# Altium PCB F405.PcbDoc (part 2 of 2)
Units mm, origin at the board's own origin, x right, y up, seen from the top; angles counter-clockwise.
Board outline 152.4 x 101.6 mm, 4 copper layers (Top Layer, MidLayer1, MidLayer2, Bottom Layer), stack 1.661 mm thick; 236 components, 147 nets, 706 pads, 750 vias.
Unrouted connection lines stored in the file: 1.
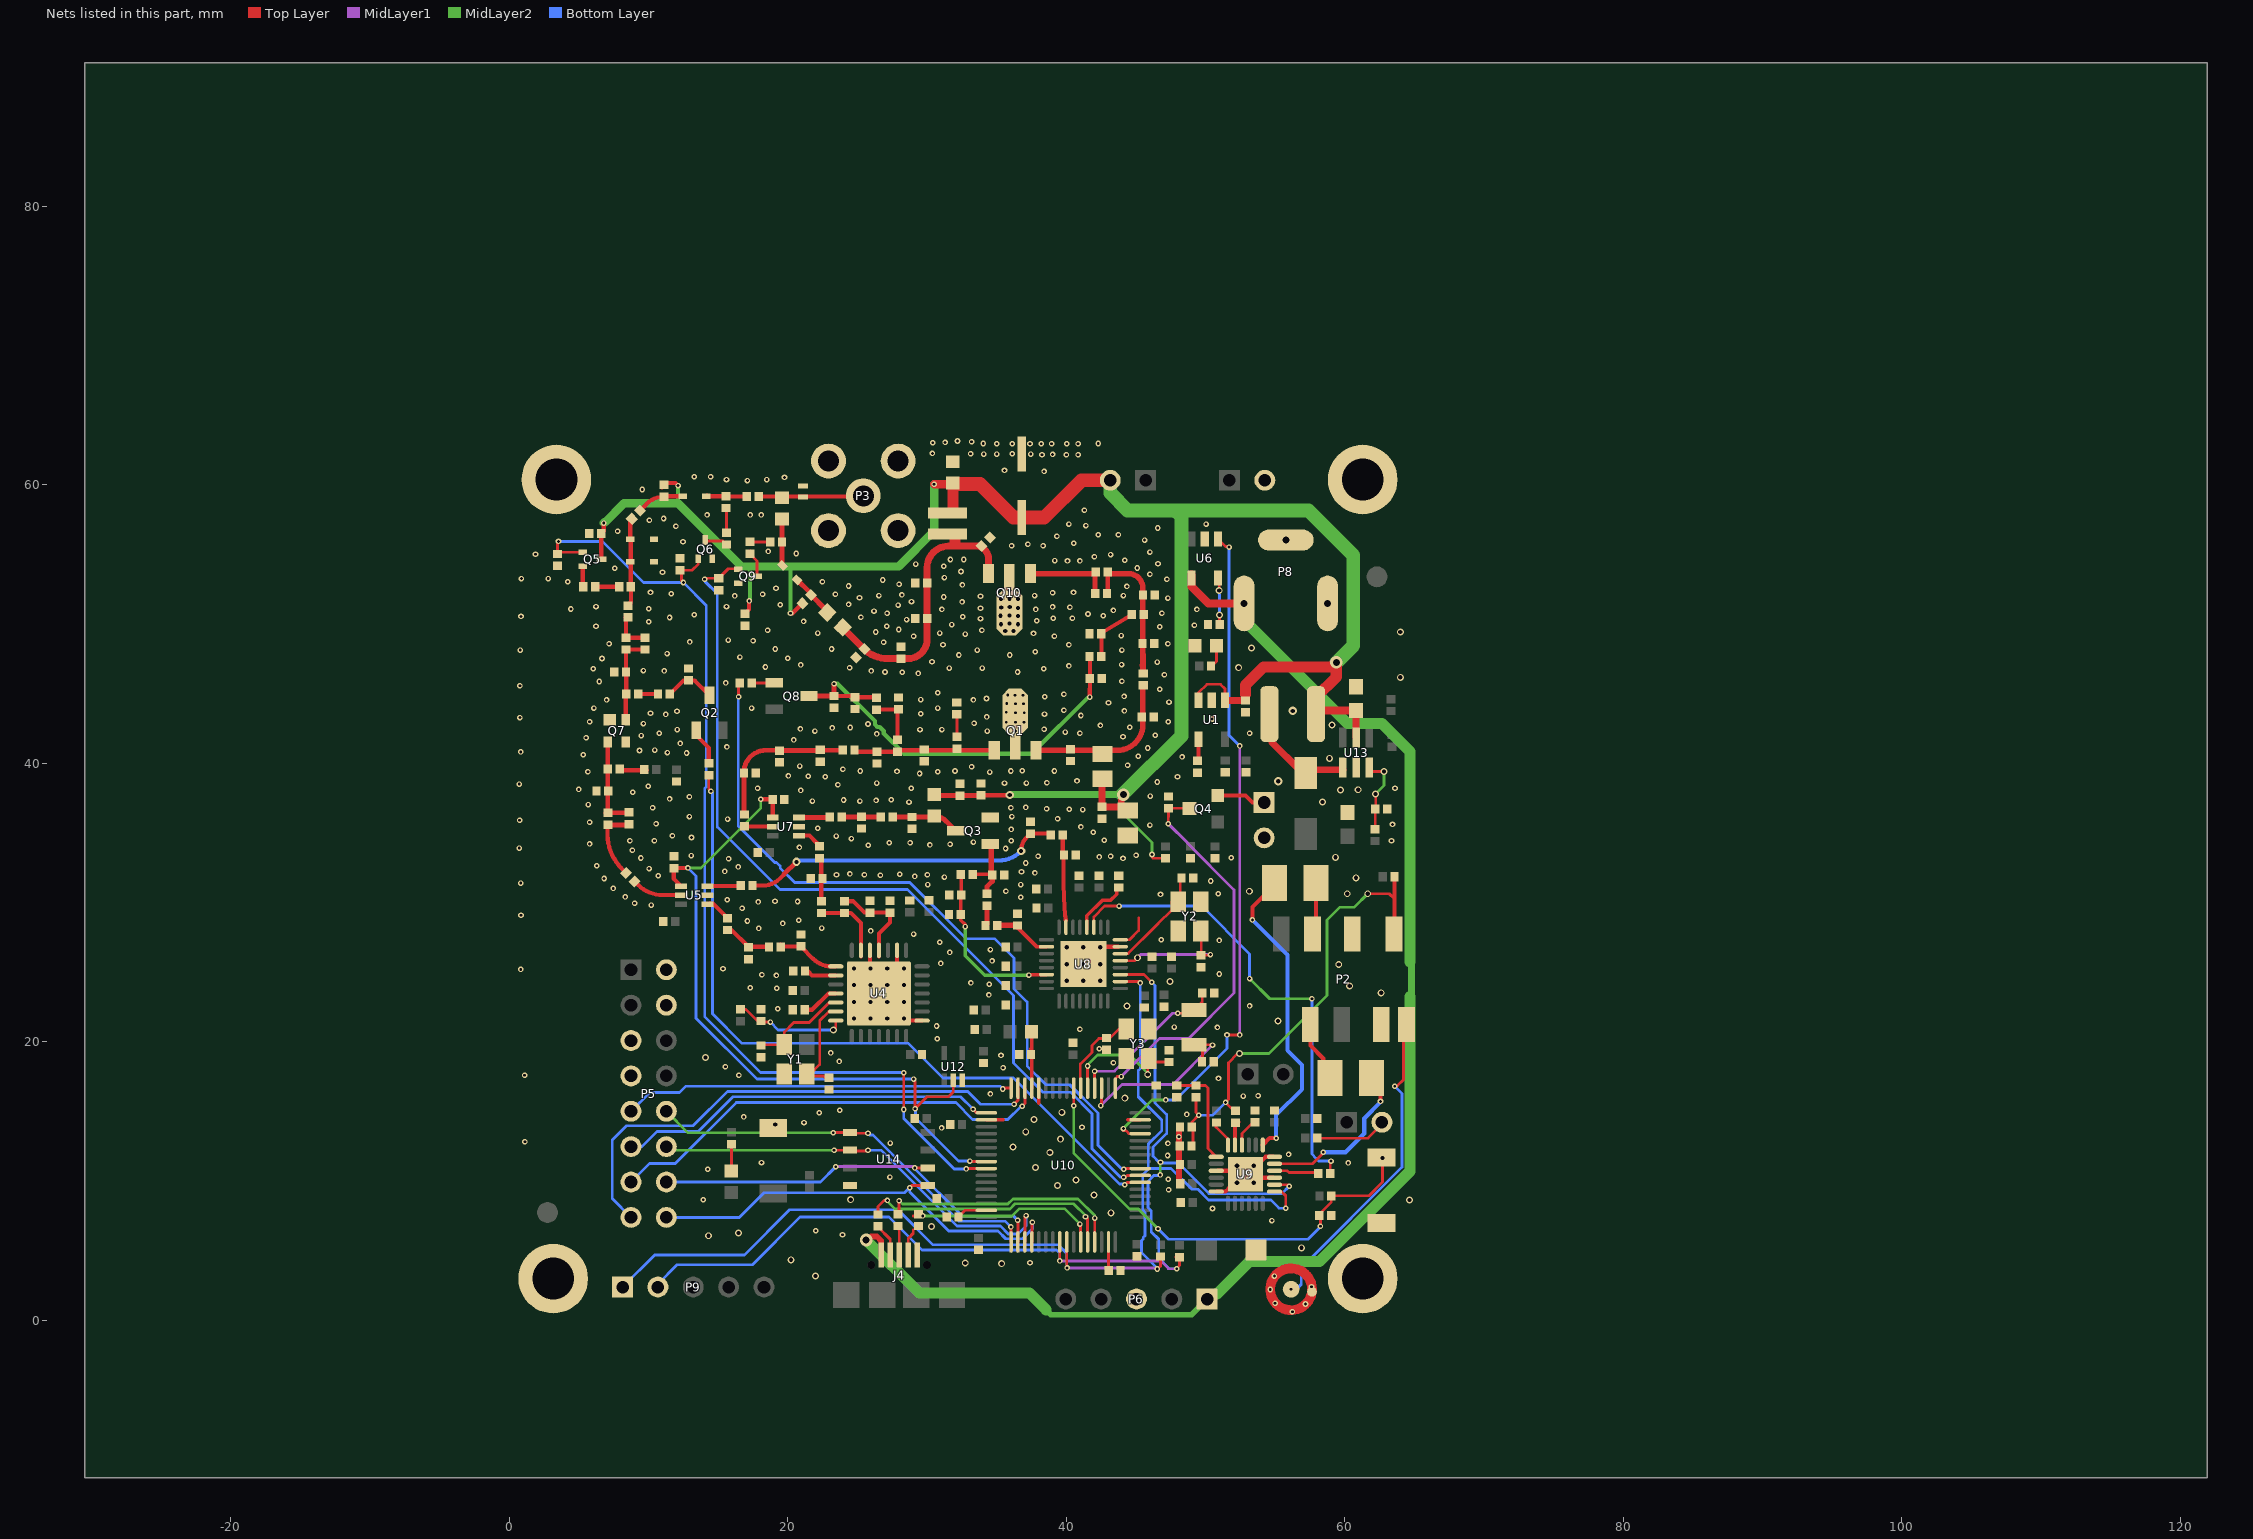
[diagram p4: the nets of this part, all layers, seen from the top]

## Via types
v1: diameter 0.4, hole 0.2, Top Layer to Bottom Layer, 614 vias
v2: diameter 0.5, hole 0.3, Top Layer to Bottom Layer, 61 vias
v3: diameter 0.6, hole 0.3, Top Layer to Bottom Layer, 27 vias
v4: diameter 0.5, hole 0.3, Top Layer to Bottom Layer, tented top, 16 vias
v5: diameter 0.5, hole 0.2, Top Layer to Bottom Layer, 13 vias
v6: diameter 0.66, hole 0.33, Top Layer to Bottom Layer, tented top, 13 vias
v7: diameter 0.9, hole 0.5, Top Layer to Bottom Layer, 4 vias
v8: diameter 1, hole 1, Top Layer to Bottom Layer, 2 vias

## Nets (pads, with @x,y where several pads share a name; then routed paths per layer and width w, separated by ;. In a path a pad name is that pad's centre, name@x,y a point inside that pad or via, vN(x,y) a via of type N, cw(c..) or ccw(c..) an arc to the next point about the centre after c; other vN are vias at no path point) (continued)
GND: B1.2 BT1.2 C1.1 C2.1 C3.1 C4.2 C5.2 C6.2 C7.2 C8.1 C12.2 C13.1 C14.2 C15.1 C16.1 C17.1 C19.1 C20.1 C23.1 C24.1 C25.1 C26.1 C27.1 C28.1 C29.2 C30.2 C31.2 C32.2 C33.1 C39.1 C41.1 C42.1 C43.1 C44.2 C45.1 C46.1 C47.2 C48.1 C49.1 C50.1 C51.2 C53.2 C54.1 C55.2 C57.2 C58.2 C59.2 C60.1 C61.2 C62.2 C63.1 C64.1 C65.1 C66.1 C67.1 C68.1 C69.2 C70.2 C71.2 C72.1 C73.2 C77.1 C78.1 C79.1 C80.1 C84.2 C85.1 C86.1 C88.1 C89.1 C90.1 C91.1 C92.1 C94.2 C95.2 C96.1 C97.1 C98.2 C99.1 C100.2 C101.2 C102.2 C104.1 C105.1 C107.2 C108.1 C109.1 C110.1 C111.1 C112.1 C114.1 C115.1 C116.1 C117.1 C120.1 C122.1 C123.1 C124.2 C126.1 C128.1 C130.1 C131.1 C136.1 C140.1 D3.2 D4.2 D5.1 D6.1 J4.5 L11.1 L25.1 L27.1 L28.1 LD1.K MK1.2 P2.4 P2.7 P3.2 P5.3 P5.4 P5.9 P5.10 P6.3 P8.2 P8.3 pad.0 Q1.0 Q1.2 Q3.2 Q6.2 Q7.2 Q7.4 Q9.2 Q10.0 Q10.2 R2.2 R4.1 R12.1 R19.1 R20.1 R23.1 R47.1 R49.2 S1.1 S2.2 U1.2 U4.15 U4.23 U4.26 U4.29 U5.2 U6.2 U7.2 U8.7 U8.8 U8.33 U9.3 U9.6 U9.15 U9.18 U9.25 U10.12 U10.18 U10.63 U12.3 U13.2 U14.4 Y1.4 Y2.2 Y2.4 Y3.2 Y3.4 | length 29.1
  Top Layer w0.2: U8.8@43.874,27.328 44.524,27.328 45.193,27.998 45.193,28.905
  Top Layer w0.245: U10.18@34.251,14.401 35.483,14.401 ; 38.026,15.568 U10.12@38.026,16.676 ; 44.4,14.401 U10.63@45.301,14.401
  Top Layer w0.3: U4.26@25.893,26.57 25.893,24.12 v4(25.943,24.07) U4.29@26.543,23.47 v4(27.143,24.07) 27.843,24.77 U4.23@27.843,26.57 ; U4.29@28.493,21.52 U4.15@29.643,21.52 ; v6(42.424,26.778) 42.474,26.828 U8.7@43.724,26.828 ; U9.6@50.762,9.24 50.767,9.245 51.435,9.245 51.668,9.479 U9.25@51.846,9.479 ; U9.3@50.882,10.74 U9.25@52.607,10.74 ; U9.25@52.857,10.49 53.061,10.49 54.311,11.74 U9.18@54.832,11.74 ; U9.25@53.107,10.24 U9.15@54.832,10.24 ; P2.7@62.611,21.237 P2.7@62.623,21.248
  Top Layer w0.4: R12.1@48.09,13.691 48.09,9.736 C63.1@48.124,9.703
  Top Layer w0.5: U4.29@26.543,23.47 v4(27.143,22.87) v4(28.343,21.67) U4.29@28.493,21.52
  other v1: 56.236,0.61 57.175,1.168 54.991,1.219 54.635,2.21 57.607,2.413 54.94,3.175 37.389,4.14 23.927,6.147 21.996,6.426 54.762,7.163 50.495,8.026 13.919,8.661 47.346,9.373 47.32,10.135 27.33,10.287 14.249,10.846 60.249,11.303 18.11,11.328 47.269,11.836 55.956,11.913 47.295,12.7 27.356,12.725 1.118,12.827 48.082,13.183 31.039,13.818 41.123,13.868 21.158,14.199 16.84,14.605 48.641,14.783 22.25,14.91 23.724,15.088 52.705,16.104 53.772,16.129 34.544,16.256 50.927,17.374 1.092,17.602 16.485,17.602 35.458,18.136 15.519,18.212 43.383,18.491 23.698,18.593 35.306,19.025 23.089,19.202 42.367,19.507 30.734,20.218 40.97,20.904 50.851,21.031 47.752,21.057 30.683,21.133 19.279,22.377 53.162,22.581 34.442,23.368 19.202,23.851 17.297,23.876 34.468,24.13 33.147,24.232 19.177,24.765 18.136,24.816 50.978,24.867 0.813,25.197 15.342,25.248 30.988,25.629 34.671,25.806 31.623,26.416 34.544,26.619 30.912,27.153 50.978,27.28 46.812,27.33 29.032,27.737 25.959,27.965 17.907,28.143 22.428,28.169 19.634,28.499 17.094,28.677 20.777,28.727 0.838,29.083 16.713,29.591 10.185,29.82 8.992,29.947 17.882,30.048 20.701,30.074 19.075,30.099 15.646,30.201 36.728,30.378 8.331,30.404 46.761,30.582 50.902,30.632 35.662,30.81 7.468,31.013 30.048,31.293 36.728,31.293 0.813,31.394 50.368,31.547 6.807,31.725 31.242,31.826 29.108,31.877 10.693,31.928 26.645,31.953 23.495,32.004 25.502,32.004 30.023,32.004 28.042,32.029 24.46,32.055 37.744,32.131 36.779,32.207 15.469,32.233 10.033,32.436 16.434,32.563 6.274,32.639 37.084,32.842 15.748,33.147 44.069,33.172 9.449,33.198 51.841,33.223 42.367,33.274 37.973,33.325 43.18,33.325 13.056,33.376 45.009,33.401 8.839,33.757 35.636,33.884 0.711,33.909 20.828,33.96 25.781,34.112 30.201,34.138 31.648,34.188 5.766,34.214 27.28,34.29 28.778,34.29 33.325,34.341 8.661,34.442 10.414,34.442 36.043,34.442 63.348,34.442 42.723,34.468 24.562,34.595 13.081,34.671 23.47,34.773 11.709,34.798 41.935,35.052 36.043,35.255 22.149,35.331 41.046,35.433 45.999,35.56 63.424,35.611 10.541,35.662 5.766,35.763 0.737,35.916 15.672,35.992 39.37,36.017 12.929,36.17 36.093,36.17 41.173,36.678 40.208,36.703 38.583,36.728 10.287,36.805 36.017,36.805 37.084,36.83 5.664,37.033 28.702,37.211 21.768,37.287 25.171,37.287 26.34,37.338 24.003,37.363 27.432,37.389 11.506,37.44 12.929,37.592 46.025,37.643 8.865,37.922 20.93,38.049 4.978,38.125 17.831,38.202 28.854,38.202 63.602,38.202 9.982,38.354 23.597,38.456 0.711,38.506 26.391,38.583 35.56,38.583 37.135,38.583 38.608,38.608 46.533,38.659 40.767,38.735 22.682,39.04 47.981,39.04 21.463,39.065 20.041,39.091 29.464,39.268 34.493,39.37 5.639,39.395 30.759,39.395 27.838,39.421 25.197,39.446 32.004,39.446 36.017,39.446 39.141,39.446 36.83,39.472 23.952,39.573 33.198,39.751 20.853,39.802 44.399,39.853 48.311,40.462 45.161,40.513 5.309,40.615 12.725,40.742 11.354,40.767 0.813,40.818 9.347,40.919 10.439,40.945 45.847,41.097 15.621,41.173 12.268,41.427 20.422,41.681 5.512,41.834 44.069,41.91 9.474,41.986 46.38,42.012 26.391,42.113 10.77,42.164 40.97,42.164 53.162,42.164 39.929,42.24 21.946,42.316 34.315,42.316 12.065,42.418 29.489,42.418 31.064,42.418 38.405,42.443 20.904,42.469 23.19,42.545 24.486,42.57 44.552,42.596 42.443,42.723 25.756,42.824 9.627,42.85 33.376,42.875 5.766,42.977 47.32,42.977 50.47,43.18 0.762,43.282 34.29,43.332 41.046,43.434 11.227,43.51 38.43,43.536 29.54,43.561 10.135,43.586 12.04,43.739 44.171,43.764 39.827,43.815 6.071,43.967 17.399,43.967 30.759,43.967 43.028,44.348 47.371,44.399 6.985,44.552 33.325,44.552 29.54,44.577 34.265,44.653 38.456,44.78 44.145,44.806 39.827,44.958 30.759,45.06 46.711,45.314 0.762,45.568 15.545,45.771 6.452,45.872 43.993,45.898 47.041,46.355 29.362,46.457 28.219,46.533 26.975,46.558 36.5,46.558 11.125,46.634 25.984,46.634 9.627,46.66 6.02,46.787 38.379,46.787 31.598,46.838 33.96,46.838 24.435,46.863 18.39,46.914 40.183,46.99 20.93,47.066 43.967,47.092 46.533,47.269 30.353,47.295 6.655,47.523 19.99,47.549 16.561,47.625 32.283,47.777 35.941,47.777 11.328,47.879 37.77,48.006 0.787,48.133 33.604,48.133 43.993,48.133 19.101,48.209 23.139,48.209 31.14,48.514 40.183,48.514 7.163,48.59 47.295,48.59 26.873,48.692 12.954,48.717 17.501,48.793 15.723,48.844 29.032,49.124 39.141,49.124 43.942,49.174 32.741,49.276 37.643,49.327 22.149,49.352 30.912,49.352 26.314,49.428 18.542,49.555 33.934,49.555 27.965,49.606 46.711,49.809 6.223,49.835 27.102,49.835 49.2,49.911 31.775,49.962 10.008,50.165 21.133,50.19 37.871,50.241 28.524,50.317 33.833,50.394 39.065,50.419 40.437,50.419 11.506,50.47 25.248,50.495 32.563,50.521 0.838,50.546 42.647,50.597 13.284,50.673 41.554,50.724 27.127,50.775 46.863,50.775 26.187,50.927 43.383,50.978 31.064,51.054 37.795,51.054 49.378,51.054 4.42,51.079 10.008,51.105 33.833,51.13 40.259,51.206 39.014,51.232 6.223,51.257 15.596,51.257 27.915,51.359 19.456,51.384 24.359,51.41 32.512,51.587 28.88,51.613 47.295,51.867 25.146,51.892 31.191,51.943 33.833,51.994 16.18,52.019 26.543,52.045 37.719,52.045 44.094,52.045 28.194,52.095 18.186,52.146 23.419,52.146 11.633,52.172 39.014,52.248 10.135,52.273 40.513,52.273 19.152,52.578 44.348,52.705 24.359,52.73 32.537,52.807 27.991,52.857 4.191,53.035 22.479,53.035 26.822,53.162 47.219,53.213 0.864,53.264 2.794,53.264 31.242,53.34 45.999,53.569 10.998,53.721 32.436,53.772 7.569,54 45.085,54.026 31.191,54.153 29.185,54.305 46.584,54.331 40.081,54.534 40.97,54.534 39.167,54.559 44.196,54.585 31.674,54.635 32.639,54.635 42.012,54.839 43.18,54.991 1.88,55.016 20.599,55.067 45.999,55.169 18.593,55.22 36.068,55.626 38.329,55.626 37.236,55.728 40.538,55.804 12.471,55.905 45.618,56.032 39.319,56.312 42.291,56.413 43.739,56.413 7.772,56.667 46.558,56.896 11.963,57.023 41.402,57.074 40.183,57.175 50.038,57.175 10.058,57.455 11.074,57.582 14.199,57.836 17.297,57.836 18.085,57.836 41.3,58.166 9.55,59.665 17.094,60.3 15.596,60.376 18.491,60.376 19.761,60.528 13.284,60.579 14.453,60.579 38.405,60.96 35.56,61.036 38.252,62.154 40.005,62.154 40.843,62.154 39.014,62.179 34.061,62.205 35.001,62.205 37.44,62.205 33.122,62.23 36.119,62.23 30.378,62.255 35.001,62.941 36.119,62.941 37.389,62.941 38.202,62.941 38.938,62.941 40.03,62.941 40.843,62.941 34.036,62.967 42.291,62.967 30.404,63.017 31.293,63.043 33.198,63.094 32.182,63.144
  other v2: 21.996,3.175 35.357,4.064 32.741,4.115 20.218,4.343 56.896,5.207 14.3,6.071 16.459,6.274 30.328,6.731 43.205,7.722 64.643,8.636 24.511,8.661 41.986,8.992 39.37,9.677 40.691,10.084 37.795,10.973 38.811,12.04 36.17,12.446 39.573,13.005 37.084,13.538 37.668,14.427 39.675,14.935 44.196,15.951 14.097,18.872 55.194,21.488 44.348,22.581 62.611,23.52 60.35,24.003 47.447,24.333 59.563,25.552 60.173,30.632 53.137,30.81 60.808,31.775 59.334,33.249 58.395,37.211 59.69,38.075 60.96,38.1 58.903,40.361 59.08,42.748 63.983,46.177 52.375,46.863 53.289,48.285 63.983,49.428
  other v3: 19.101,14.072 55.22,38.71 56.261,43.764 35.611,49.505 36.195,49.505 35.306,49.987 36.525,49.987 35.916,50.038 36.525,50.571 35.281,50.597 35.916,50.622 36.525,51.156 35.331,51.181 35.941,51.232 35.306,51.791 36.525,51.791 35.916,51.816 35.916,52.426
  other v4: 24.743,21.67 25.943,21.67 27.143,21.67 24.743,22.87 25.943,22.87 28.343,22.87 24.743,24.07 28.343,24.07 24.743,25.27 25.943,25.27 27.143,25.27 28.343,25.27
  other v5: 36.347,42.316 35.687,42.951 36.347,42.951 36.957,42.951 36.347,43.637 36.982,43.637 35.687,43.663 36.347,44.272 36.932,44.272 35.712,44.298 36.322,44.882 36.881,44.882 35.789,44.907
  other v6: 52.257,9.89 53.457,9.89 52.257,11.09 53.457,11.09 40.024,24.378 41.224,24.378 42.424,24.378 40.024,25.578 41.224,25.578 42.424,25.578 40.024,26.778 41.224,26.778
I2C3_SCL: P9.1 R25.1 U8.2 U9.13 U10.41 | length 82.9
  Top Layer w0.2: U10.41@40.026,5.626 40.026,3.789 v1(40.056,3.759) ; U8.2@43.874,24.328 45.217,24.328 v1(45.314,24.232) ; v1@46.482,3.607 46.761,3.886 R25.1@46.761,4.586 ; U9.13@54.952,9.24 55.454,9.24 55.753,8.941 v1(55.753,8.052)
  MidLayer1 w0.2: v1(40.056,3.759) 46.457,3.759 v1(46.533,3.683)
  Bottom Layer w0.2: P9.1@8.128,2.388 10.439,4.699 16.891,4.699 20.13,7.938 27.902,7.938 30.421,5.418 39.425,5.418 40.026,4.817 40.026,3.789 v1(40.056,3.759) ; v1(45.314,24.232) 45.314,18.081 45.161,17.928 45.161,16.057 46.856,14.362 46.856,13.633 45.898,12.675 45.922,12.65 45.922,12.635 45.878,12.591 45.878,10.948 45.922,10.904 ; v1(46.533,3.683) 46.533,3.734 45.398,4.869 45.398,5.719 45.517,5.838 45.517,5.944 45.644,6.071 45.644,7.747 45.491,7.899 45.491,10.473 45.922,10.904 ; v1(55.753,8.052) 55.27,8.052 54.686,8.636 50.216,8.636 49.436,9.415 49.005,9.415 47.516,10.904 45.922,10.904
I2C3_SDA: P9.2 R26.1 U8.3 U9.14 U10.40 | length 81.3
  Top Layer w0.2: v1(39.526,4.263) U10.40@39.526,5.626 ; U8.3@43.724,24.828 43.738,24.841 45.568,24.841 v1(46.126,24.282) ; R26.1@47.854,4.535 R26.1@47.854,4.56 ; v1(47.93,3.708) 47.904,3.708 48.133,3.937 R26.1@48.133,4.535 ; U9.14@54.952,9.74 55.893,9.74 v1(56.007,9.627)
  MidLayer1 w0.2: v1(39.526,4.263) 39.53,4.267 46.787,4.267 47.346,3.708 v1(47.93,3.708)
  MidLayer2 w0.2: v1(46.736,10.439) 46.736,11.328 v1(46.761,11.354)
  Bottom Layer w0.2: P9.2@10.668,2.388 10.668,2.616 12.04,3.988 17.45,3.988 20.879,7.417 27.274,7.417 29.642,5.049 39.299,5.049 39.526,4.822 v1(39.526,4.263) ; v1(46.126,24.282) 46.372,24.036 46.372,15.604 47.193,14.783 47.206,14.77 47.206,13.424 46.228,12.446 46.228,11.786 46.66,11.354 v1(46.761,11.354) ; v1(46.736,10.439) 46.685,10.389 46.279,10.389 45.864,9.974 45.864,8.094 46.101,7.857 46.101,6.35 46.634,5.817 46.634,4.47 47.346,3.759 47.32,3.734 47.346,3.708 v1(47.93,3.708) ; v1@46.761,11.303 48.044,11.303 50.254,9.093 55.474,9.093 v1(56.007,9.627)
LNA_EN: R6.2 U10.54 | length 53.1
  Top Layer w0.2: R6.2@14.326,39.148 14.326,38.151 v1(14.478,37.998) ; v1(44.196,9.728) 44.368,9.901 U10.54@45.301,9.901
  Bottom Layer w0.2: v1(14.478,37.998) 14.585,37.891 14.585,22.016 16.713,19.888 28.651,19.888 31.14,17.399 36.195,17.399 43.815,9.779 44.032,9.779 v1@44.14,9.672
LNA_TRANS_EN: C29.1 C30.1 Q5.1 Q6.1 U10.25 | length 74.2
  Top Layer w0.2: v1(3.531,55.931) 3.454,55.855 C29.1@3.454,55.035 3.58,55.161 Q5.1@5.269,55.161 ; C30.1@12.243,53.864 C30.1@12.37,53.864 ; v1(12.497,52.984) 12.37,53.111 C30.1@12.37,53.864 ; Q6.1@13.543,54.714 Q6.1@13.572,54.686 13.572,54.313 13.123,53.864 C30.1@12.37,53.864 ; v1(28.321,15.138) v1(28.321,17.78) ; v1(32.817,10.871) 32.846,10.901 U10.25@34.251,10.901
  Bottom Layer w0.2: v1(3.531,55.931) 6.68,55.931 9.627,52.984 v1(12.497,52.984) 14.141,51.341 14.141,38.297 14.028,38.185 14.028,21.811 18.034,17.805 28.118,17.805 ; v1(28.321,15.138) 28.321,14.503 31.953,10.871 v1(32.817,10.871)
MIC: MK1.1 P2.8 | length 22.3
  Top Layer w0.2: v1(63.576,16.815) 63.754,16.815 64.211,17.272 P2.8@64.211,20.472
  Bottom Layer w0.2: v1(56.14,2.229) 56.509,2.229 56.871,2.591 56.871,3.759 64.11,10.998 64.11,16.281 v1(63.576,16.815)
MICN: C56.1 C61.1 P2.1 R9.1 R11.1 R12.2 | length 33.8
  Top Layer w0.2: R12.2@49.015,13.894 49.015,14.243 v1(49.505,14.732) 49.301,14.935 R11.1@49.301,16.016 ; R12.2@49.073,13.894 49.073,13.708 49.09,13.691 C61.1@49.09,12.548 ; C56.1@51.867,15.215 v1(51.435,15.646) 51.638,15.85 51.638,18.491 52.299,19.152 v2(52.426,19.152) ; v2(61.646,30.632) 63.187,30.632 63.568,30.251
  Top Layer w0.3: P2.1@63.523,27.749 63.568,27.794 63.568,30.251 R9.1@63.568,31.598
  MidLayer2 w0.2: v2(52.426,19.152) 54.559,19.152 58.725,23.317 58.725,28.753 59.639,29.667 60.681,29.667 v2(61.646,30.632)
  Bottom Layer w0.2: v1(49.505,14.732) 50.521,14.732 v1(51.435,15.646)
MONOOUT: C40.1 U8.11 | length 34.2
  Top Layer w0.2: U8.11@41.974,28.228 41.974,28.969 42.748,29.743 v1(43.79,29.743) ; C40.1@58.947,10.541 58.947,11.372 v1(59.004,11.43)
  MidLayer2 w0.2: v1(53.162,24.536) 54.61,23.089 v1(57.633,23.089)
  Bottom Layer w0.2: v1(43.79,29.743) 49.733,29.743 53.162,26.314 v1(53.162,24.536) ; v1(57.633,23.089) 57.633,11.938 57.937,11.633 57.925,11.62 58.115,11.43 v1(59.004,11.43)
NetB1_1: B1.1 Q4.2 | length 3.5
  Top Layer w0.3: Q4.2@50.876,37.694 52.857,37.694 53.365,37.186 B1.1@54.204,37.186
NetC6_1: C6.1 U1.4 | length 1.6
  Top Layer w0.3: C6.1@49.428,40.183 49.494,40.249 U1.4@49.494,41.726
NetC8_2: C8.2 Q2.3 R8.2 | length 3.7
  Top Layer w0.3: R8.2@11.525,44.983 12.497,45.955 C8.2@12.852,45.955 13.308,45.955 Q2.3@14.376,44.887
NetC9_1: C9.1 C132.2 L7.1 | length 5.2
  Top Layer w0.3: 7.054,34.812 7.054,34.874 ; L7.1@7.073,35.592 ccw(c7.118,35.547) 7.054,35.547 7.054,34.874 ; C132.2@8.386,32.127 8.055,32.458 cw(c10.472,34.874) 7.054,34.874 ; C9.1@8.565,35.585 C9.1@8.604,35.624
  Top Layer w0.34: L7.1@7.302,35.567 C9.1@8.546,35.567
NetC9_2: C9.2 C73.1 L4.1 L7.2 Q7.3 | length 6.9
  Top Layer w0.2: L7.2@6.844,36.417 6.87,36.442 7.061,36.442 L7.2@7.073,36.442 ; Q7.3@6.909,41.381 Q7.3@7.057,41.529 ; C9.2@8.292,36.442 C9.2@8.343,36.493 ; C9.2@8.572,36.442 C9.2@8.604,36.474
  Top Layer w0.3: Q7.3@7.057,41.529 cw(c7.029,41.502) 7.068,41.502 L4.1@7.068,39.599 ; L7.2@7.061,36.442 7.061,39.479 cw(c7.194,39.479) L4.1@7.1,39.573
  Top Layer w0.34: L7.2@7.073,36.442 C9.2@8.292,36.442
NetC10_1: C10.1 C32.1 L5.1 L10.1 Q7.1 | length 6.5
  Top Layer w0.2: Q7.1@8.357,43.129 Q7.1@8.382,43.155
  Top Layer w0.3: Q7.1@8.357,43.129 8.357,44.983 L5.1@8.396,44.983 8.396,46.558 C32.1@8.375,46.558 8.375,48.172 L10.1@8.382,48.172 C10.1@9.754,48.172
NetC10_2: C10.2 C74.1 L10.2 | length 3
  Top Layer w0.3: C74.1@8.382,50.477 L10.2@8.382,49.022 C10.2@9.754,49.022
  Top Layer w0.34: C74.1@8.382,50.477 C74.1@8.534,50.477 C74.1@8.56,50.477
NetC11_1: C11.1 C81.1 L11.2 | length 3.5
  Top Layer w0.3: C81.1@15.672,28.03 15.963,28.03 17.17,26.822 C11.1@18.65,26.822
NetC11_2: C11.2 L25.2 U4.1 | length 4.5
  Top Layer w0.3: C11.2@19.475,26.975 19.595,26.855 L25.2@20.955,26.855 ccw(c21.033,26.855) 20.978,26.8 21.819,25.959 ccw(c23.12,27.261) 23.12,25.42 U4.1@23.443,25.42
NetC12_1: C12.1 U4.6 Y1.1 | length 7.2
  Top Layer w0.2: C12.1@22.682,17.416 22.555,17.543 21.5,17.543 Y1.1@21.349,17.695 21.617,17.695 22.286,18.364 22.286,21.511 22.944,22.17 U4.6@23.443,22.17
NetC13_2: C13.2 U4.5 Y1.3 | length 6.9
  Top Layer w0.2: C13.2@18.364,19.804 18.373,19.795 Y1.3@19.749,19.795 19.749,20.714 20.422,21.387 21.539,21.387 22.972,22.82 U4.5@23.443,22.82
NetC15_2: C15.2 R5.1 U4.7 | length 8.4
  Top Layer w0.2: R5.1@16.612,22.327 16.993,22.327 17.824,21.495 C15.2@18.059,21.495 18.142,21.412 v1(18.745,21.412) ; U4.7@23.018,21.52 U4.7@23.443,21.52 23.443,21.03 v2(23.266,20.853)
  Bottom Layer w0.2: v1(18.745,21.412) 19.304,20.853 v2(23.266,20.853)
NetC16_2: C16.2 U4.2 | length 2.3
  Top Layer w0.3: C16.2@21.228,25.07 21.429,25.07 21.734,24.765 21.738,24.77 U4.2@23.443,24.77
NetC17_2: C17.2 U4.4 | length 2.7
  Top Layer w0.3: C17.2@21.202,22.301 21.742,22.301 22.911,23.47 U4.4@23.443,23.47
NetC18_1: C18.1 U7.1 | length 1.5
  Top Layer w0.3: U7.1@20.813,34.808 21.554,34.808 C18.1@22.073,34.29
NetC18_2: C18.2 C19.2 L8.2 | length 3.1
  Top Layer w0.3: C18.2@22.276,33.186 22.403,33.059 L8.2@22.403,30.099
NetC24_2: C24.2 C25.2 L1.1 U4.25 | length 7.1
  Top Layer w0.3: L1.1@24.054,30.099 24.689,30.099 25.513,29.274 C25.2@25.908,29.274 C24.2@27.33,29.274 27.33,28.575 26.543,27.788 U4.25@26.543,26.57 U4.25@26.543,26.14
NetC40_2: C40.2 U9.16 | length 3.2
  Top Layer w0.2: U9.16@54.991,10.74 55.859,10.74 55.982,10.617 58.02,10.617 C40.2@58.097,10.541
NetC49_2: C49.2 U8.5 Y2.1 | length 9.2
  Top Layer w0.2: U8.5@43.724,25.828 U8.5@43.874,25.828 44.903,25.828 v2(45.11,26.035) ; Y2.1@49.644,27.957 49.682,27.919 C49.2@49.682,26.213 50.292,26.213 v1(50.343,26.264)
  MidLayer1 w0.2: v2(45.11,26.035) 45.339,26.264 v1(50.343,26.264)
NetC50_2: C50.2 U8.6 Y2.3 | length 7.4
  Top Layer w0.2: U8.6@43.724,26.328 U8.6@43.874,26.328 44.438,26.328 46.44,28.33 46.447,28.33 46.593,28.477 46.593,28.483 47.587,29.477 47.587,30.057 48.184,30.654 C50.2@48.184,31.496
NetC51_1: C51.1 U9.22 | length 1.9
  Top Layer w0.2: U9.22@52.607,12.585 52.607,13.415 C51.1@53.398,14.205
NetC52_1: C52.1 U9.24 | length 2
  Top Layer w0.2: 50.736,13.881 51.607,13.01 U9.24@51.607,12.465 ; 50.749,13.894 50.749,14.13 C52.1@50.769,14.11
NetC54_2: C54.2 U8.12 | length 4.2
  Top Layer w0.25: U8.12@41.474,28.078 U8.12@41.474,28.228 41.474,29.054 42.57,30.15 43.155,30.15 43.612,30.607 C54.2@43.612,31.078
NetC56_2: C56.2 U9.23 | length 1.7
  Top Layer w0.3: U9.23@52.107,12.585 52.107,13.989 C56.2@52.349,14.231
NetC62_1: C62.1 R11.2 U9.1 | length 7.6
  Top Layer w0.2: C62.1@47.93,16.866 R11.2@49.301,16.866 49.987,16.866 50.165,16.688 50.165,12.338 U9.1@50.762,11.74 U9.1@50.882,11.74
NetC74_2: C74.2 C75.1 D3.1 D4.1 L17.2 | length 6.3
  Top Layer w0.3: C74.2@8.585,51.327 ccw(c8.234,51.678) 8.731,51.678 L17.2@8.731,52.68 ; D4.1@8.687,56.083 8.687,57.455 C75.1@8.793,57.561 ; L17.2@8.712,52.68 D4.1@8.712,56.083
NetC75_2: C75.2 D2.1 L15.2 | length 3.3
  Top Layer w0.3: C75.2@9.394,58.162 9.866,58.634 cw(c11.1,57.399) L15.2@11.1,59.145 ; L15.2@11.188,59.182 D2.1@12.446,59.182
  Top Layer w0.37: L15.2@11.162,59.157 L15.2@11.188,59.182
NetC76_1: C76.1 D2.2 L16.2 | length 3
  Top Layer w0.3: D2.2@14.198,59.182 L16.2@15.545,59.182 ; L16.2@15.57,59.157 C76.1@17.05,59.157
  Top Layer w0.34: C76.1@17.05,59.157 C76.1@17.177,59.157
  Top Layer w0.37: D2.2@14.173,59.157 D2.2@14.198,59.182 ; L16.2@15.545,59.182 L16.2@15.57,59.157
NetC76_2: C76.2 C127.2 D6.2 P3.1 | length 7.4
  Top Layer w0.3: C76.2@18.034,59.15 P3.1@25.362,59.15
  Top Layer w0.35: P3.1@25.362,59.15 ccw(c25.362,59.207) P3.1@25.42,59.207
  Top Layer w0.37: C76.2@18.027,59.157 C76.2@18.034,59.15
NetC77_2: C77.2 C78.2 C91.2 L6.2 L20.2 Q8.3 R32.1 R32.2 R47.2 R48.1 R48.2 R49.1 | length 39.2
  Top Layer w0.3: C77.2@23.324,44.831 C78.2@24.733,44.831 ; C78.2@24.816,44.748 26.259,44.748 cw(c26.259,44.598) R32.1@26.365,44.704 ; R32.2@26.365,43.854 27.972,43.854 27.864,43.746 L6.2@27.864,41.681 ; R48.1@41.663,47.676 41.688,47.65 C91.2@41.688,46.101 v1(41.681,44.755) ; R48.2@42.513,47.676 42.513,49.276 42.462,49.327 42.469,49.331 42.488,49.342 L20.2@44.704,50.673
  Top Layer w0.35: Q8.3@21.519,44.831 C77.2@23.324,44.831 v1(23.324,45.713) ; C78.2@24.733,44.831 C78.2@24.816,44.748